# Altium PCB pcbGarra.PcbDoc
Units mm, origin at the board's own origin, x right, y up, seen from the top; angles counter-clockwise.
Board outline 108.8 x 66.2 mm, 2 copper layers (Top Layer, Bottom Layer); 29 components, 40 nets, 139 pads, 12 vias.
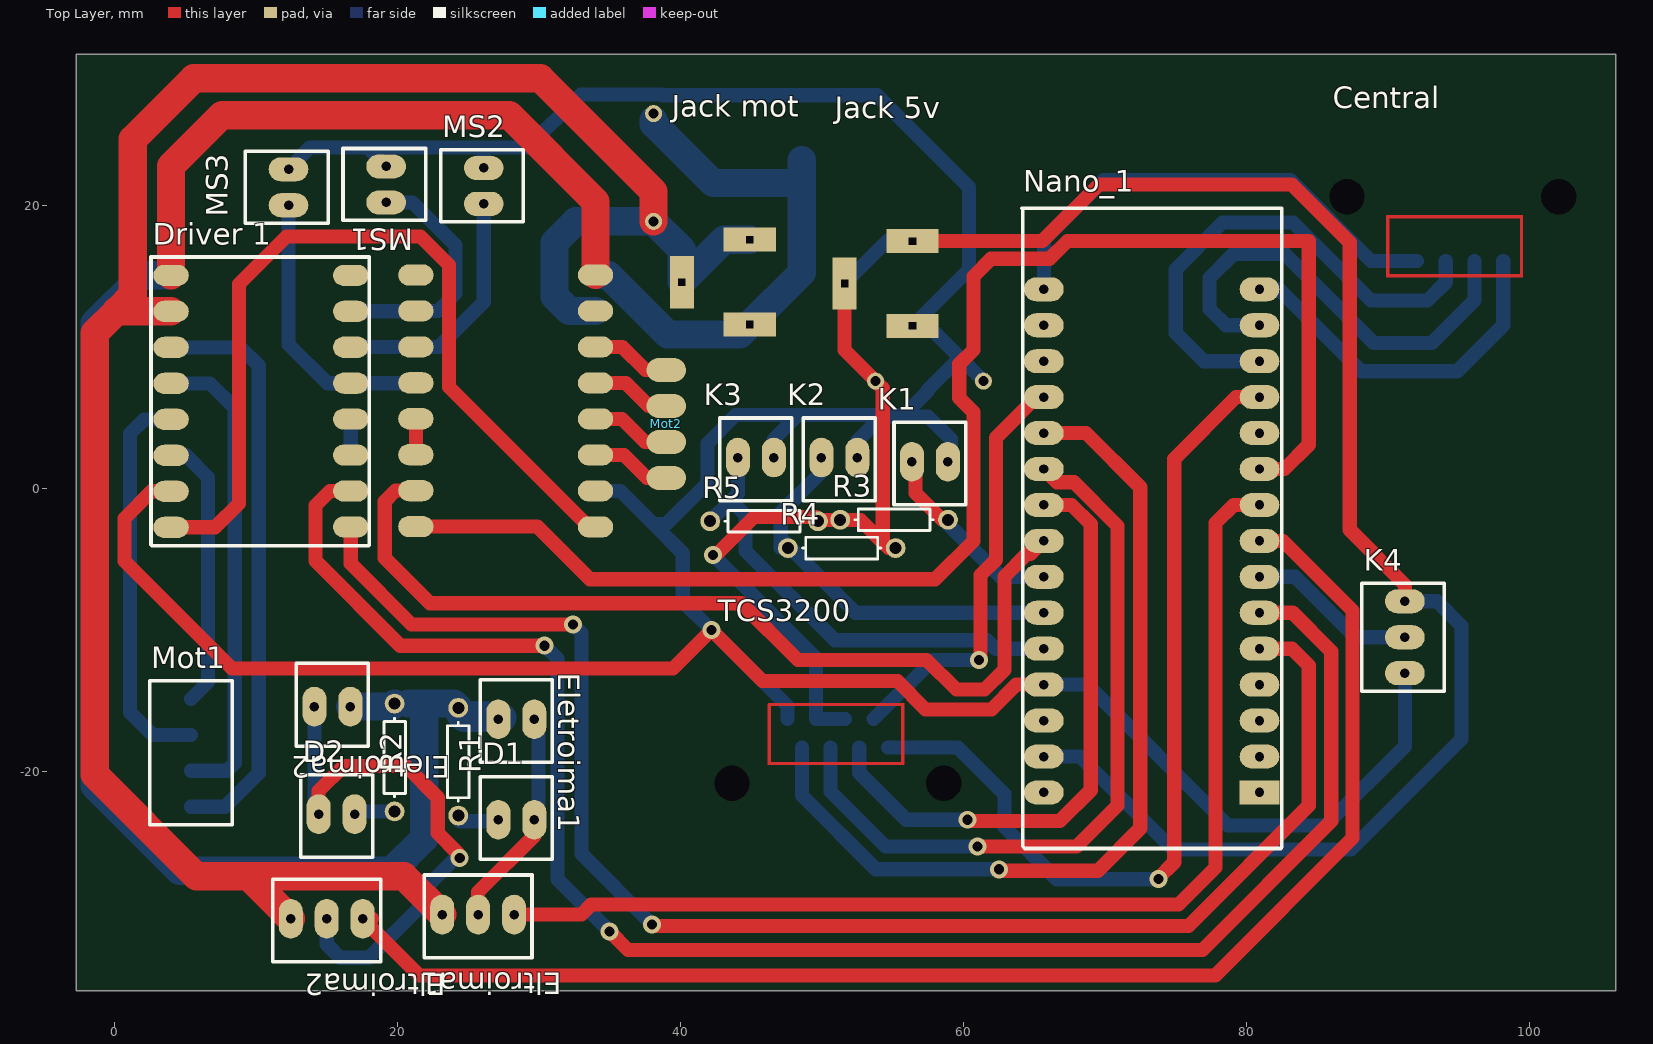
[diagram p0: Top Layer view]
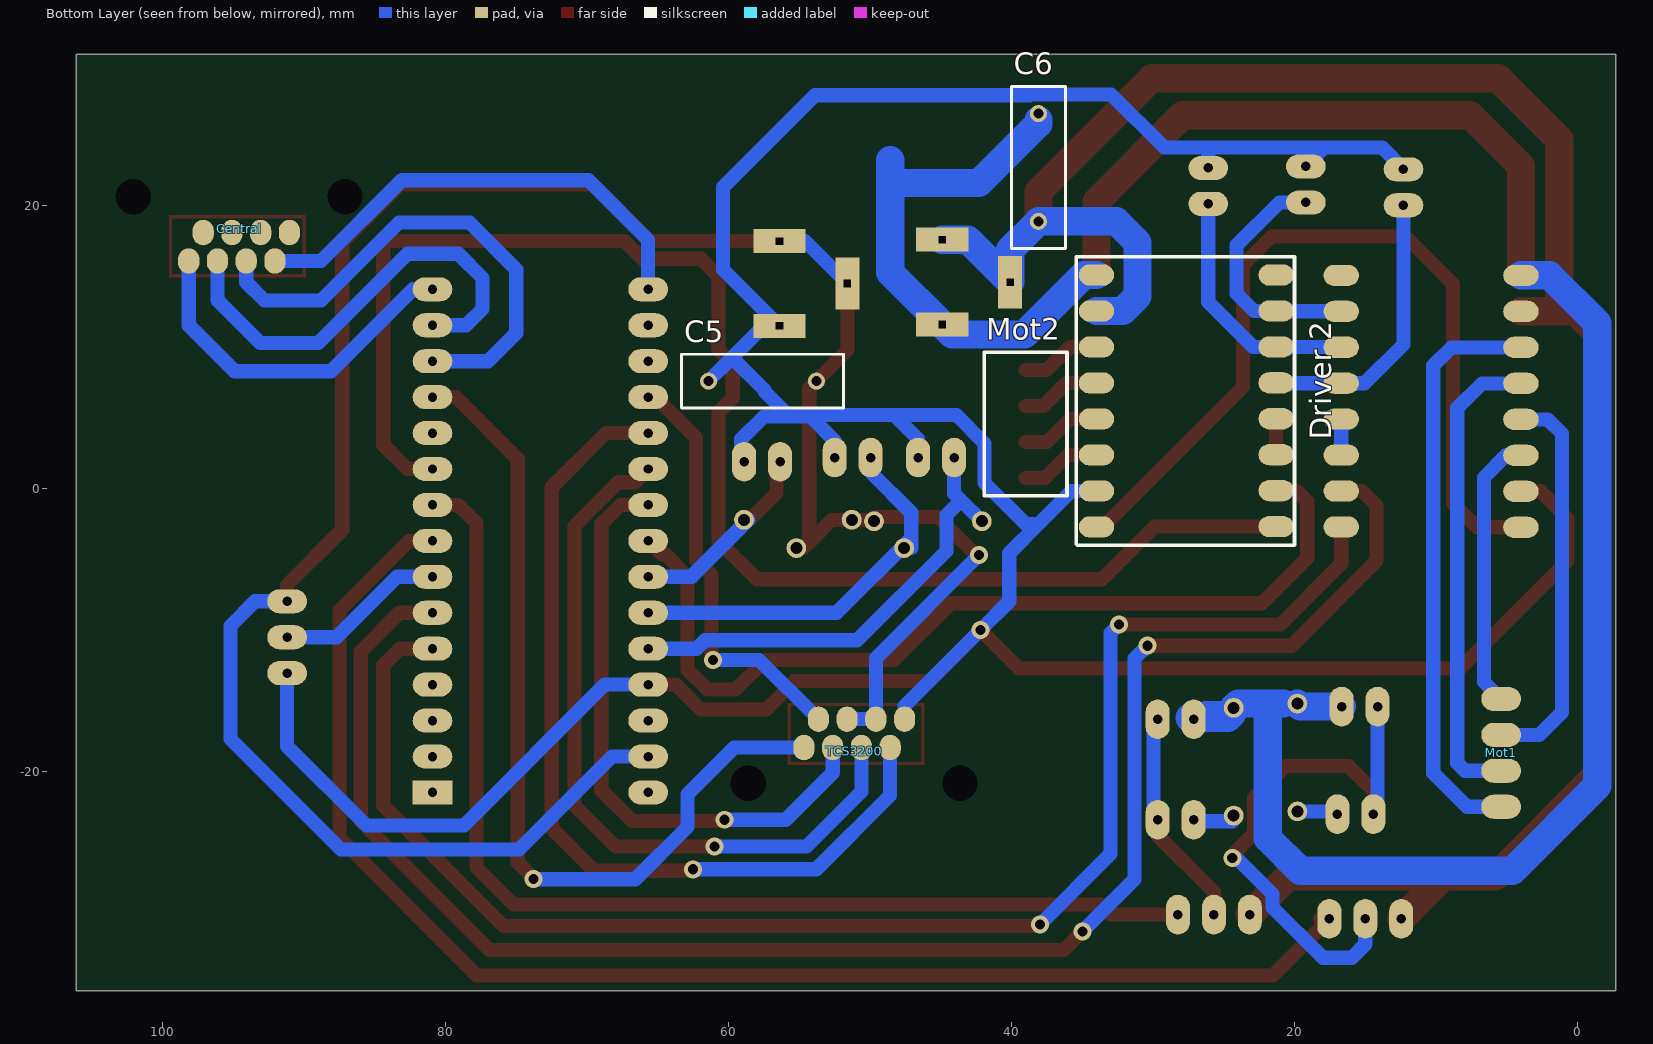
[diagram p1: Bottom Layer view, seen from below]
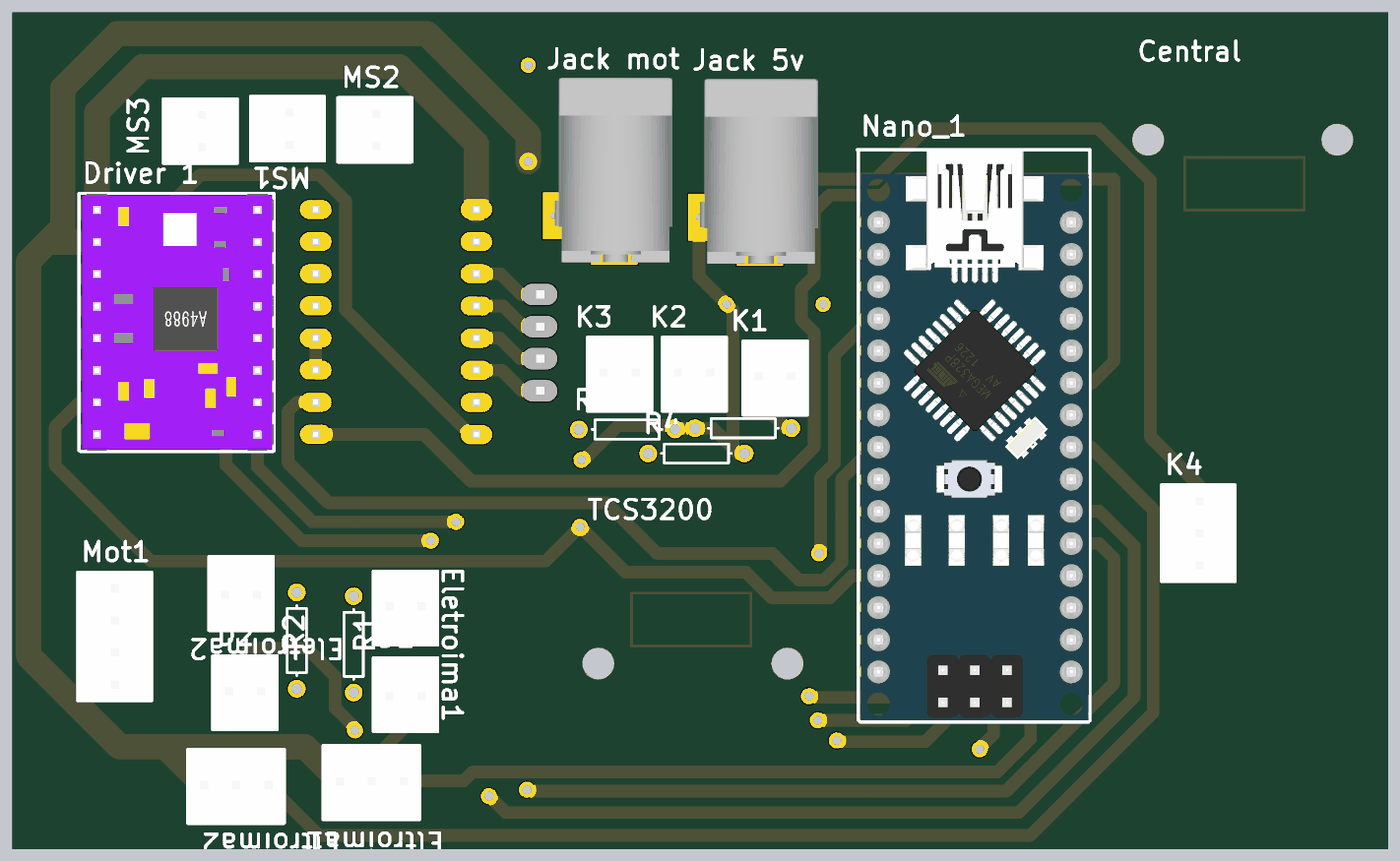
[diagram p2: 3D render of the assembled board from above, using the file's embedded part models]

## Layer stack, top to bottom
Top Solder: solder mask 0.0102, Solder Resist, Dk 3.5
Top Layer: signal copper 0.0356
Dielectric 1: dielectric 0.32, FR-4, Dk 4.8
Bottom Layer: signal copper 0.0356
Bottom Solder: solder mask 0.0102, Solder Resist, Dk 3.5

## Board outline
-2.7,-35.5 106.1,-35.5 106.1,30.7 -2.7,30.7

## Design rules (kind name [scope] priority, off if disabled: settings)
Clearance [All] p1: gap=0.254 ignorepadtopadclearanceinfootprint=FALSE except(0: Arc-Hole Track-Hole SMDPad-Hole THPad-Hole Via-Hole Fill-Hole Poly-Hole Region-Hole Text-Hole)
DiffPairsRouting [All] p1: maxlimit=1 minlimit=0.5 mostfreqgap=0.5 toplayer_minwidth=0.5 toplayer_maxwidth=3 toplayer_prefwidth=1 bottomlayer_minwidth=0.5 bottomlayer_maxwidth=3 bottomlayer_prefwidth=1 maxuncoupledlength=12.7
PlaneClearance [All] p1: clearance=1.5
PolygonConnect [All] p1: connectstyle=Relief reliefconductorwidth=0.254 reliefentries=4 polygonreliefangle="90 Angle" airgapwidth=0.254
RoutingCorners [All] p1: cornerstyle=Round minsetback=2 maxsetback=4
RoutingVias [All] p1: holewidth=0.711 width=2 viastyle="Through Hole" minholewidth=0.711 minwidth=2 maxholewidth=0.711 maxwidth=2
SolderMaskExpansion [All] p1: expansion=0.102
UnRoutedNet [All] p1: checkbadconnections=TRUE
Width [All] p1: maxlimit=3 minlimit=0.5 preferedwidth=1
26 further rules are at their usual default settings.

## Components (designator, comment, footprint, x,y, rotation, side; value= is the part's Value field where it differs from the comment)
C5 "Cap" RAD-0.3 57.6,7.6 r180 bottom value=100pF
C6 "Cap" RAD-0.3 38.1,22.7 r270 bottom value=100pF
Central "RJ45" RJ45_Simples 100.94,20.62 r180 top
D1 "LED2" 2-vias 28.4,-23.4 r90 top
D2 "LED2" 2-vias 15.7,-23 r270 top
"Driver 1" "A4988" A4988 16.7,15.074 r270 top
"Driver 2" "A4988" A4988 21.3,15.1 r270 bottom
Eletroima1 "KK2" 2-vias 28.4,-16.3 r270 top
Eletroima2 "KK2" 2-vias 15.4,-15.4 r90 top
Eltroima1 "MOSFET-N" 3-vias 25.7,-30.1 r270 top
Eltroima2 "MOSFET-N" 3-vias 15,-30.4 r270 top
"Jack 5v" "Jack" "JACK J4" 56.4,17.5 r270 top
"Jack mot" "Jack" "JACK J4" 44.9,17.6 r270 top
K1 "KK2" 2-vias 57.63,1.9 r270 top
K2 "KK2" 2-vias 51.23,2.2 r270 top
K3 "KK2" 2-vias 45.33,2.2 r270 top
K4 "KK3" 3-vias 91.2,-10.5 r180 top
Mot1 "KK4" 4-vias 5.4,-22.48 r180 top
Mot2 "KK4" 4-vias 39,8.38 r180 bottom
MS1 "KK2" 2-vias 19.2,21.5 r180 top
MS2 "KK2" 2-vias 26.1,21.4 r180 top
MS3 "KK2" 2-vias 12.3,21.3 r180 top
Nano_1 "Nano" Arduino_Nano 73,-4.3 r90 top
R1 "Res1" AXIAL-0.3 24.3,-19.3 r90 top value=1K
R2 "Res1" AXIAL-0.3 19.8,-19 r270 top value=1K
R3 "Res1" AXIAL-0.3 55.1,-2.2 r180 top value=1K
R4 "Res1" AXIAL-0.3 51.4,-4.2 r0 top value=1K
R5 "Res1" AXIAL-0.3 45.91,-2.3 r0 top value=1K
TCS3200 "RJ45" RJ45_Simples 44.77,-20.82 r0 top

## Footprints (in the part's own frame and the unit in brackets; to place one, negate y for a bottom-side part, rotate by r counter-clockwise, add the part's x,y. Pads: shape width x height; smd on the part's side, far side on the other; paste and mask are expansions set on the pad)
2-vias [mm]
  oval 2.8x1.7 hole 0.67 unplated: 1(0,1.27) 2(0,-1.27)
  silkscreen extent -2.79,-2.54 3.05,2.54, body extent -2.87,-2.54 2.97,2.54, height 11.7
3-vias [mm]
  oval 2.8x1.7 hole 0.67 unplated: 1(0,2.54) 2(0,0) 3(0,-2.54)
  silkscreen extent -2.79,-3.81 3.05,3.81, body extent -2.84,-3.78 3,3.84, height 11.7
4-vias [mm]
  oval 2.8x1.7 smd far side: 1(0,0) 2(0,-2.54) 3(0,-5.08) 4(0,-7.62)
  silkscreen extent -2.92,-8.89 2.92,1.27, body extent -2.92,-8.89 2.92,1.27, height 11.7
A4988 [mm]
  oval 1.5x2.5 all layers, no hole: 1(0,0) 2(2.54,0) 3(5.08,0) 4(7.62,0) 5(10.16,0) 6(12.7,0) 7(15.24,0) 8(17.78,0) 9(0,-12.7) 10(2.544,-12.7) 11(5.087,-12.7) 12(7.631,-12.7) 13(10.174,-12.7) 14(12.718,-12.7) 15(15.262,-12.7) 16(17.805,-12.7)
  silkscreen extent -1.3,-14.12 19.1,1.3, body extent -1.27,-13.97 19.05,1.27, height 5.09
Arduino_Nano [mm]
  rect 1.7x2.8 hole 0.67 unplated: 0(-17.17,-7.925)
  oval 1.7x2.8 hole 0.67 unplated: 1(-14.63,-7.925) 2(-12.09,-7.925) 3(-9.55,-7.925) 4(-7.01,-7.925) 5(-4.47,-7.925) 6(-1.93,-7.925) 7(0.61,-7.925) 8(3.15,-7.925) 9(5.69,-7.925) 10(8.23,-7.925) 11(10.77,-7.925) 12(13.31,-7.925) 13(15.85,-7.925) 14(18.39,-7.925) 15(18.39,7.315) 16(15.85,7.315) 17(13.31,7.315) 18(10.77,7.315) 19(8.23,7.315) 20(5.69,7.315) 21(3.15,7.315) 22(0.61,7.315) 23(-1.93,7.315) 24(-4.47,7.315) 25(-7.01,7.315) 26(-9.55,7.315) 27(-12.09,7.315) 28(-14.63,7.315) 29(-17.17,7.315)
  silkscreen extent -21.13,-9.5 24.13,8.89, body extent -21,-9.41 24,8.59, height 11
AXIAL-0.3 [mm] "Axial Device, Thru-Hole; 2 Leads; 0.3 in Pin Spacing"
  round 1.4 hole 0.85: 1(-3.81,0) 2(3.81,0)
  silkscreen extent -2.77,-0.76 2.77,0.76
"JACK J4" [mm]
  rect 1.7x3.7 hole 0.5 square: 1(6,0) 2(0,0)
  rect 3.7x1.7 hole 0.5 square: 3(3,-4.8)
  body extent -7.94,-4.71 6.68,4.61, height 11
RAD-0.3 [mm] "Radial Cap, Thru-Hole; 2 Leads; 0.3 in Pin Spacing"
  round 1.2 hole 0.7: 1(-3.81,0) 2(3.81,0)
  silkscreen extent -5.72,-1.91 5.71,1.9
RJ45_Simples [mm] "Sem led nessas porra - 8P8C"
  oval 1.5x1.8 smd far side: 1(9.9,2.52) 2(8.88,4.53) 3(7.87,2.52) 4(6.85,4.53) 5(5.84,2.52) 6(4.82,4.53) 7(3.81,2.52) 8(2.79,4.53)
  round 0 hole 2.5: HOLE(-1.13,0) HOLE(13.83,0)
  Top Layer region: 1.397,5.588 1.397,1.295 1.6,1.295 1.6,5.588
  Top Layer region: 1.397,1.498 1.397,1.295 11.024,1.295 11.024,1.499
  Top Layer region: 10.846,5.639 10.846,1.346 11.049,1.346 11.049,5.639
  Top Layer region: 1.422,5.664 1.422,5.461 11.049,5.461 11.049,5.665
  body extent -1.55,-5.51 14.25,10.03, height 12.84

## Part data
C5 C6: "Capacitor", LatestRevisionDate=17-Jul-2002, LatestRevisionNote="Re-released for DXP Platform.", PackageDescription="Radial Cap, Thru-Hole; 2 Leads; 0.3 in Pin Spacing", PackageReference=RAD-0.3, Published=8-Jun-2000, Publisher="Altium Limited"
D1 D2: "Typical RED, GREEN, YELLOW, AMBER GaAs LED", LatestRevisionDate=17-Jul-2002, LatestRevisionNote="Re-released for DXP Platform.", PackageDescription="SM LED; 2 Flat Leads", PackageReference=3.2X1.6X1.1, PackageVersion=Feb-2002, Published=8-Jun-2000, Publisher="Altium Limited"
Eletroima1 Eletroima2 K1 K2 K3 MS1 MS2 MS3: library part KK2Vias
Eltroima1 Eltroima2: "N-Channel MOSFET", LatestRevisionDate=17-Jul-2002, LatestRevisionNote="Re-released for DXP Platform.", PackageDescription="TO, Flat Index; 3 In-Line, Axial Leads; Body Dia. 4.6mm; Lead Dia. 0.5 mm (max)", PackageReference=E3, PackageVersion=1995/1996, Published=8-Jun-2000, Publisher="Altium Limited"
K4: library part KK3Vias
Mot1 Mot2: library part KK4Vias, ComponentLink1Description=Fabricante, ComponentLink1URL=https://www.molex.com/molex/products/family?key=kk_254_rpc_connector_system&channel=products&chanName=family&pageTitle=Introduction&parentKey=kk_interconnect_solutions
Nano_1: library part Arduino_Nano
R1 R2 R3 R4 R5: "Resistor", LatestRevisionDate=17-Jul-2002, LatestRevisionNote="Re-released for DXP Platform.", PackageDescription="Axial Device, Thru-Hole; 2 Leads; 0.3 in Pin Spacing", PackageReference=AXIAL-0.3, Published=8-Jun-2000, Publisher="Altium Limited"

## Via types
v1: diameter 1.27, hole 0.711, Top Layer to Bottom Layer, 12 vias

## Nets (pads, with @x,y where several pads share a name; then routed paths per layer and width w, separated by ;. In a path a pad name is that pad's centre, name@x,y a point inside that pad or via, vN(x,y) a via of type N, cw(c..) or ccw(c..) an arc to the next point about the centre after c; other vN are vias at no path point)
1A_M2: "Driver 2.13" Mot2.3 | length 5.7
  Top Layer w1: 34,4.925 35.875,4.925 37.5,3.3 Mot2.3
1B_M2: "Driver 2.14" Mot2.4 | length 5.7
  Top Layer w1: 34,2.382 36.018,2.382 37.64,0.76 Mot2.4
2A_M2: "Driver 2.12" Mot2.2 | length 5.7
  Top Layer w1: 34,7.469 36.131,7.469 37.76,5.84 Mot2.2
2B_M2: "Driver 2.11" Mot2.1 | length 5.7
  Top Layer w1: 34,10.013 35.887,10.013 37.52,8.38 Mot2.1
5V: "Driver 1.15" "Driver 2.15" "Jack 5v.1" C5.1 K1.1 K2.1 K3.1 K4.1 MS1.2 MS2.2 MS3.2 Nano_1.26 TCS3200.8 | length 256.5
  Top Layer w1: 4,-0.187 2.613,-0.187 0.7,-2.1 0.7,-5.119 8.297,-12.716 39.484,-12.716 v1(42.2,-10) 45.8,-13.6 55.33,-13.6 57.33,-15.6 61.978,-15.6 63.728,-13.85 Nano_1.26
  Bottom Layer w1: MS3.2 12.3,22.6 13.8,24.1 17.87,24.1 ; MS1.2 17.87,24.1 ; MS2.2 26.1,24.1 ; 34,-0.162 35.762,-0.162 38.1,-2.5 ; K3.1 46.6,3.5 48.3,5.2 ; TCS3200.8 47.56,-15.36 46,-13.8 v1(42.2,-10) 40.162,-7.962 40.162,-4.562 38.1,-2.5 ; K2.1 52.5,3.38 54.22,5.1 56.75,5.1 57.5,5.1 59.1,3.5 59.1,2.1 K1.1 ; C5.1 59.755,9.255 ; Nano_1.26 68.75,-13.85 78.7,-23.8 85.6,-23.8 91.2,-18.2 K4.1 ; 17.87,24.1 26.1,24.1 ; 26.1,24.1 29.2,24.1 32.964,27.864 38.661,27.864 38.725,27.8 53.9,27.8 60.4,21.3 60.4,15.5 56.4,11.5 57.51,11.5 59.755,9.255 ; 38.1,-2.5 39,-2.5 41.9,0.4 41.9,3.2 43.9,5.2 48.3,5.2 ; 48.3,5.2 55.8,5.2 57.47,6.87 57.47,6.97 59.755,9.255
D7: K1.2 Nano_1.23 R3.1 | length 13.8
  Top Layer w1: K1.2 56.6,1.66 56.6,-0.296 R3.1@58.51,-2.206
  Bottom Layer w1: R3.1@58.61,-2.2 62.6,-6.19 62.6,-6.23 Nano_1.23
D8: K2.2 Nano_1.24 R4.1 | length 28.4
  Bottom Layer w1: R4.1@47.09,-4.2 47.09,-3.5 ; K2.2 49.96,1.17 47.09,-1.7 47.09,-3.5 ; Nano_1.24 52.36,-8.77 47.09,-3.5
D9: K3.2 Nano_1.25 R5.1 | length 33.3
  Bottom Layer w1: R5.1 43.575,-0.825 ; K3.2 44.06,-0.34 43.575,-0.825 ; Nano_1.25 62.275,-11.31 61.675,-10.711 50.911,-10.711 44.6,-4.4 44.6,-1.85 43.575,-0.825
DIR_M1: "Driver 1.8" Nano_1.4 | length 107.4
  Top Layer w1: 16.7,-2.706 16.7,-5.3 21,-9.6 v1(32.4,-9.6) ; v1(38,-30.8) 38.1,-30.9 75.9,-30.9 84.4,-22.4 84.4,-12.5 83.21,-11.31 Nano_1.4
  Bottom Layer w1: v1(32.4,-9.6) 33,-10.2 33,-25.8 v1(38,-30.8)
DIR_M2: "Driver 2.8" Nano_1.9 | length 104.9
  Top Layer w1: 21.3,-2.68 29.88,-2.68 33.6,-6.4 58,-6.4 60.7,-3.7 60.7,5.4 59.7,6.4 59.7,8.8 60.7,9.8 60.7,15 61.946,16.246 66.095,16.246 67.349,17.5 84.4,17.5 84.4,3.1 82.69,1.39 Nano_1.9
Eletro1: Eltroima1.1 Nano_1.8 | length 78.9
  Top Layer w1: Eltroima1.1 33,-30.1 33.7,-29.4 75.2,-29.4 77.814,-26.786 77.814,-2.437 79.1,-1.15 Nano_1.8
Eletro2: Eltroima2.1 Nano_1.7 | length 101
  Top Layer w1: Eltroima2.1@18.2,-30.4 Eltroima2.1 21.54,-34.4 77.8,-34.4 87.5,-24.7 87.5,-8.616 82.574,-3.69 Nano_1.7
GND: "Driver 1.16" "Driver 2.16" "Jack 5v.2" "Jack 5v.3" C5.2 K4.3 Nano_1.28 R3.2 R4.2 R5.2 TCS3200.4 TCS3200.6 | length 227.3
  Top Layer w1: 4,-2.731 7.116,-2.731 8.791,-1.056 8.791,14.465 12.159,17.833 21.63,17.833 23.652,15.811 23.652,7.185 33.542,-2.705 34,-2.705 34.205,-2.705 ; v1(42.3,-4.7) 42.5,-4.7 45.2,-2 49.594,-2 49.8,-2.206 52.716,-2.206 54.3,-3.79 ; 51.6,14.5 51.6,9.79 C5.2 54.29,7.1 54.3,7.1 54.3,-3.79 ; R4.2@54.71,-4.2 54.3,-3.79 ; 56.4,17.5 65.575,17.5 69.575,21.5 83.2,21.5 87.3,17.4 87.3,-2.9 91.2,-6.8 K4.3
  Bottom Layer w1: v1(42.3,-4.7) 49.59,-11.99 TCS3200.6 TCS3200.4 ; 51.6,14.5 54.6,17.5 56.4,17.5 ; Nano_1.28 68.23,-18.93 74.8,-25.5 87.4,-25.5 95.2,-17.7 95.2,-9.7 93.46,-7.96 K4.3
GND_MOT: "Driver 1.10" "Driver 2.10" "Jack mot.2" "Jack mot.3" C6.2 Eltroima1.3 Eltroima2.3 | length 152.7
  Top Layer w2: 4,12.531 2.469,12.531 0.131,12.531 ; Eltroima2.3 11.03,-28.97 9.46,-27.4 ; Eltroima1.3 20.46,-27.4 9.46,-27.4 ; C6.2 38.1,21 30.1,29 5.6,29 1.3,24.7 1.3,13.7 0.131,12.531 ; 0.131,12.531 -1.4,11 -1.4,-20.2 5.8,-27.4 9.46,-27.4
  Bottom Layer w2: 34,12.556 32.14,12.556 31.1,13.596 31.1,17.4 32.59,18.89 C6.2 40.1,16.89 40.1,14.6 43.1,17.6 44.9,17.6
MISO: Central.8 Nano_1.14 | length 25.5
  Bottom Layer w1: Nano_1.14 82.31,14.09 88.1,8.3 94.9,8.3 98.15,11.55 Central.8
MOSI: Central.6 Nano_1.13 | length 32.3
  Bottom Layer w1: Nano_1.13 78.55,11.55 77.4,12.7 77.4,14.9 79.1,16.6 82.7,16.6 89,10.3 93.1,10.3 96.12,13.32 Central.6
MS1: "Driver 1.2" "Driver 2.2" MS1.1 | length 17.5
  Bottom Layer w1: 16.7,12.534 21.274,12.534 21.3,12.56 22.86,12.56 24.1,13.8 24.1,17.2 21.07,20.23 MS1.1
MS2: "Driver 1.3" "Driver 2.3" MS2.1 | length 17.7
  Bottom Layer w1: 16.7,9.994 16.726,10.02 21.3,10.02 22.92,10.02 26.1,13.2 MS2.1
MS3: "Driver 1.4" "Driver 2.4" MS3.1 | length 20
  Bottom Layer w1: MS3.1 12.3,10.2 15.046,7.454 16.7,7.454 21.274,7.454 21.3,7.48
NetD1_1: D1.1 R1.1 | length 2.8
  Bottom Layer w1: R1.1@24.4,-23.51 27.02,-23.51 D1.1
NetD1_2: D1.2 Eletroima1.1 Eltroima1.2 | length 15.7
  Top Layer w1: Eltroima1.2 25.7,-28.5 29.67,-24.53 D1.2
  Bottom Layer w1: D1.2 29.97,-23.1 Eletroima1.1@29.97,-16.19
NetD2_1: D2.1 R2.2 | length 2.9
  Bottom Layer w1: D2.1 17.16,-22.81 R2.2
NetD2_2: D2.2 Eletroima2.1 Eltroima2.2 | length 39.1
  Top Layer w1: D2.2 14.43,-21.37 16.2,-19.6 20.6,-19.6 22.846,-21.846 22.846,-24.346 v1@24.3,-25.8
  Bottom Layer w1: Eletroima2.1 14.13,-22.7 D2.2 ; Eltroima2.2 15,-32.2 15.95,-33.15 18,-33.15 21.556,-29.594 21.556,-28.642 21.799,-28.399 24.098,-26.1 v1(24.4,-26.1)
"NetDriver 1_5": "Driver 1.5" "Driver 1.6" | length 2.5
  Bottom Layer w1: 16.7,2.374 16.7,4.914
"NetDriver 1_11": "Driver 1.11" Mot1.1 | length 41.3
  Bottom Layer w1: 4,9.987 8.913,9.987 10.2,8.7 10.2,-20.1 7.82,-22.48 Mot1.1
"NetDriver 1_12": "Driver 1.12" Mot1.2 | length 33.6
  Bottom Layer w1: 4,7.444 6.756,7.444 8.5,5.7 8.5,-19.4 7.96,-19.94 Mot1.2
"NetDriver 1_13": "Driver 1.13" Mot1.3 | length 28
  Bottom Layer w1: 4,4.9 2.1,4.9 1.1,3.9 1.1,-15.8 2.7,-17.4 Mot1.3
"NetDriver 1_14": "Driver 1.14" Mot1.4 | length 19.4
  Bottom Layer w1: 4,2.356 5.044,2.356 6.6,0.8 6.6,-13.66 Mot1.4
"NetDriver 2_5": "Driver 2.5" "Driver 2.6" | length 2.5
  Top Layer w1: 21.3,2.4 21.3,4.94
NetK4_2: K4.2 Nano_1.6 | length 12
  Bottom Layer w1: Nano_1.6 83.43,-6.23 87.7,-10.5 K4.2
NetNano_1_11: Nano_1.11 TCS3200.1 | length 62.3
  Top Layer w1: v1@73.75,-27.55 74.9,-26.4 74.9,2.1 79.27,6.47 Nano_1.11
  Bottom Layer w1: TCS3200.1 59.6,-18.3 62.9,-21.6 62.9,-23.9 66.6,-27.6 v1(73.8,-27.6)
NetNano_1_18: Nano_1.18 TCS3200.2 | length 30
  Top Layer w1: v1(61.1,-12.1) 61.218,-11.982 61.218,-6.105 62.3,-5.023 62.3,3.6 65.17,6.47 Nano_1.18
  Bottom Layer w1: TCS3200.2 57.84,-12.1 v1(61.1,-12.1)
NetNano_1_19: Nano_1.19 TCS3200.7 | length 63.2
  Top Layer w1: v1(62.5,-26.9) 62.6,-27 69.5,-27 72.5,-24 72.5,0.1 68.67,3.93 Nano_1.19
  Bottom Layer w1: TCS3200.7 48.58,-21.68 53.8,-26.9 v1(62.5,-26.9)
NetNano_1_20: Nano_1.20 TCS3200.5 | length 52.9
  Top Layer w1: v1(61,-25.3) 68,-25.3 70.9,-22.4 70.9,-2.632 67.814,0.454 66.621,0.454 Nano_1.20
  Bottom Layer w1: TCS3200.5 50.61,-21.41 54.5,-25.3 v1(61,-25.3)
NetNano_1_21: Nano_1.21 TCS3200.3 | length 43.1
  Top Layer w1: v1(60.3,-23.4) 60.4,-23.5 66.81,-23.5 69,-21.31 69,-2.506 67.645,-1.15 Nano_1.21
  Bottom Layer w1: TCS3200.3 52.64,-20.08 55.96,-23.4 v1(60.3,-23.4)
SCK: Central.2 Nano_1.15 | length 34
  Bottom Layer w1: Nano_1.15 65.685,17.585 69.4,21.3 69.9,21.8 83.096,21.8 88.806,16.09 Central.2
SS: Central.4 Nano_1.12 | length 36
  Bottom Layer w1: Nano_1.12 77,9.01 75,11.01 75,15.5 78.3,18.8 83.3,18.8 88.8,13.3 92.8,13.3 94.09,14.59 Central.4
STP_M1: "Driver 1.7" Nano_1.5 | length 121.1
  Top Layer w1: 16.7,-0.166 15.234,-0.166 14.2,-1.2 14.2,-5.1 20.2,-11.1 v1(30.4,-11.1) ; v1(35,-31.3) 36.3,-32.6 76.9,-32.6 86,-23.5 86,-11.5 83.27,-8.77 Nano_1.5
  Bottom Layer w1: v1(30.4,-11.1) 31.3,-12 31.3,-27.6 v1(35,-31.3)
STP_M2: "Driver 2.7" Nano_1.22 | length 65.2
  Top Layer w1: 21.3,-0.14 19.86,-0.14 19.1,-0.9 19.1,-4.9 22.3,-8.1 44.3,-8.1 48.3,-12.1 57.4,-12.1 59.5,-14.2 61.5,-14.2 62.9,-12.8 62.9,-6.197 64.47,-4.626 64.749,-4.626 Nano_1.22
Vin: "Driver 1.9" "Driver 2.9" "Jack mot.1" C6.1 Eletroima1.2 Eletroima2.2 R1.2 R2.1 | length 174.9
  Top Layer w2: 4,15.074 4,22.8 7.6,26.4 27.9,26.4 34,20.3 34,15.1
  Bottom Layer w1: R1.2 26.32,-15.49 Eletroima1.2 ; C6.1@38.1,26.046 C6.1
  Bottom Layer w2: 4,15.074 1.974,15.074 -1.4,11.7 -1.4,-21 4.6,-27 19.6,-27 21.9,-24.7 21.9,-15.19 ; Eletroima2.2 19.59,-15.4 R2.1 ; 20.8,-15.19 21.9,-15.19 ; R1.2 24,-15.19 21.9,-15.19 ; R1.2@24.4,-15.89 24.7,-16.19 Eletroima1.2@27.43,-16.19 ; 34,15.1 34.9,15.1 39.1,10.9 44.2,10.9 44.9,11.6 48.58,15.28 48.58,21.6 ; C6.1@38.1,26.046 38.1,25.8 42.3,21.6 48.58,21.6 ; 48.58,23.22 48.58,21.6
pads on no net: "Driver 1.1" "Driver 2.1" Central.1 Central.3 Central.5 Central.7 Central.HOLE Nano_1.0 Nano_1.1 Nano_1.2 Nano_1.3 Nano_1.10 Nano_1.16 Nano_1.17 Nano_1.27 Nano_1.29 TCS3200.HOLE

## Other copper
Top Layer:
  pour cut-out: 104.4,-31.7